# KiCad board radioboard_original.kicad_pcb (continued)
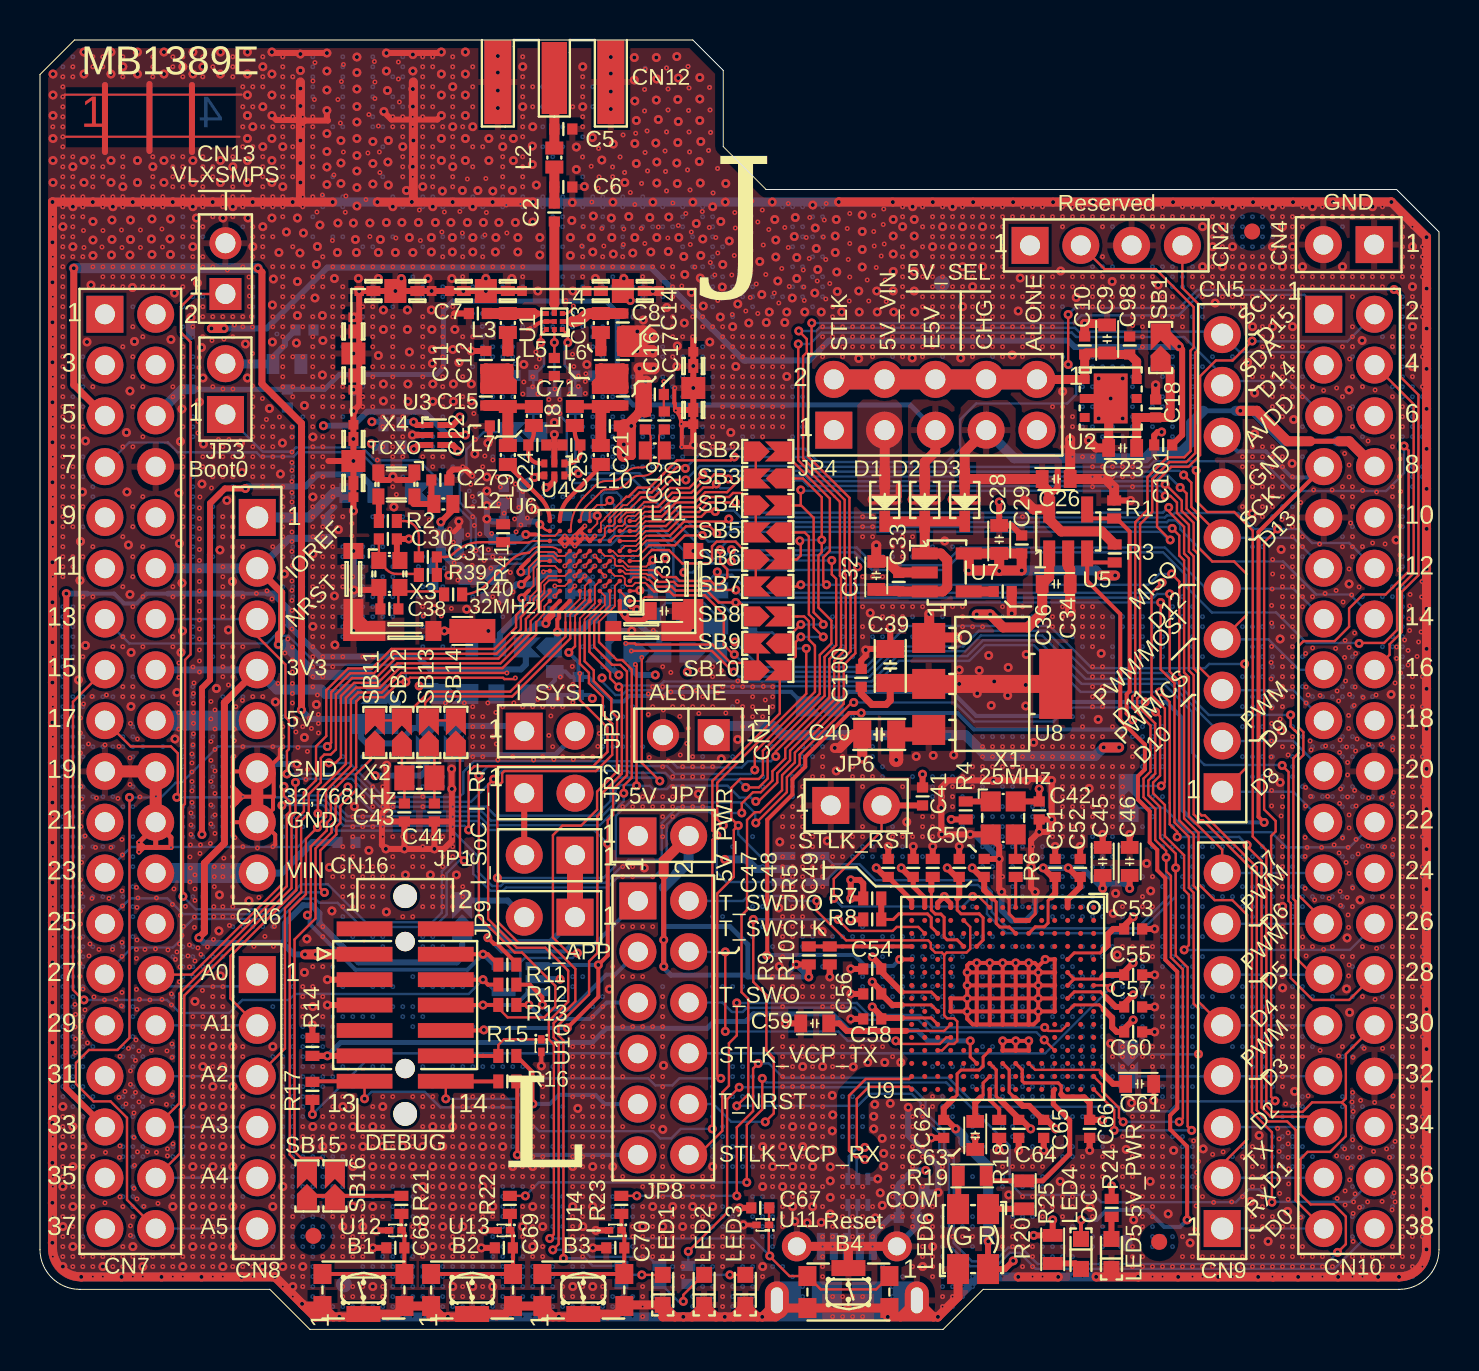
[diagram p0: board, top side]
## Routing (per net, layer and track width the routed paths; a pad name or vN(x,y) marks a point on that pad's centre or on a via; arc(x,y) is an arc through that point) (continued)
  vias: v1(0.62,54.36) v1(0.62,52.36) v1(0.62,50.36) v1(0.62,48.36) v1(0.62,46.36) v1(0.62,44.36) v1(0.62,42.36) v1(0.62,40.36) v1(0.62,38.36) v1(0.62,36.36) v1(0.62,34.36) v1(0.62,32.34) v1(0.62,30.34) v1(0.62,28.34) v1(0.62,26.34) v1(0.62,24.34) v1(0.62,22.34) v1(0.62,20.34) v1(0.62,18.34) v1(0.62,16.34) v1(0.62,14.34) v1(0.62,12.34) v1(0.62,10.33) v1(0.62,8.33) v1(0.62,6.33) v1(0.62,4.33) v1(0.65,62.77) v1(0.65,61.72) v1(0.65,60.7) v1(0.65,59.55) v1(0.65,58.45) v1(0.65,57.35) v1(1.15,55.14) v1(1.15,11.14) v1(1.15,9.14) v1(1.15,7.14) v1(1.15,5.14) v1(1.15,3.14) v1(1.65,58.14) v1(1.65,56.14) v1(1.65,54.14) v1(1.65,10.14) v1(1.65,8.14) v1(1.65,6.14) v1(1.65,4.14) v1(1.92,32.47) v1(2.02,39.4) v1(2,37.45) v1(2.12,41.88) v1(2.2,63.88) v1(2.2,62.77) v1(2.2,58.45) v1(2.2,57.35) v1(2.15,9.14) v1(2.27,44.42) v1(2.27,34.2) v1(2.35,49.38) v1(2.55,52.22) v1(2.65,55.4) v1(2.65,54.47) v1(2.65,53.7) v1(3.15,3.14) v1(3.55,63.88) v1(3.55,62.77) v1(3.55,58.45) v1(3.55,57.35) v1(3.6,55.47) v1(3.6,54.5) v1(3.58,53.72) v1(3.65,56.14) v1(4.08,2.62) v1(4.15,63.14) v1(4.15,57.14) v1(4.33,44.85) v1(4.35,41.88) v1(4.42,39.22) v1(4.52,55.47) v1(4.52,54.5) v1(4.5,53.72) v1(4.5,46.92) v1(4.5,36.75) v1(4.62,52.1) v1(4.56,33.85) v1(4.55,31.15) v1(4.72,49.4) v1(4.65,4.14) v1(4.88,63.88) v1(4.88,62.77) v1(4.88,58.45) v1(4.88,57.35) v1(5.15,3.14) v1(5.6,55.52) v1(5.58,54.52) v1(5.6,53.75) v1(5.65,58.14) v1(6.08,2.62) v1(6.2,63.88) v1(6.2,62.77) v1(6.2,58.45) v1(6.2,57.35) v1(6.52,55.52) v1(6.5,54.52) v1(6.52,53.75) v1(6.55,49.5) v1(6.72,51.82) v1(6.65,6.14) v1(6.75,29.52) v1(6.85,31.85) v1(7.02,44.4) v1(6.95,41.82) v1(6.97,39.3) v1(7.1,46.02) v1(7.1,37.32) v1(7.12,34.92) v1(7.05,33.85) v1(7.15,63.14) v1(7.15,3.14) v1(7.65,63.88) v1(7.65,62.77) v1(7.65,58.45) v1(7.65,57.35) v1(7.65,56.14) v1(7.65,54.14) v1(7.65,8.14) v1(7.65,6.14) v1(7.65,4.14) v1(7.83,55.57) v1(7.75,16.4) v1(7.88,52.32) v1(7.97,46.38) v1(8.08,49.1) v1(8.1,42.27) v1(8.08,2.62) v1(8.15,63.14) v1(8.15,47.57) v1(8.17,44.27) v1(8.15,13.14) v1(8.15,11.14) v1(8.15,9.14) v1(8.65,14.14) v1(8.65,12.14) v1(8.65,8.14) v1(8.65,6.14) v1(8.65,4.14) v1(8.83,32.05) v1(9.02,63.88) v1(9.02,62.77) v1(9.02,58.45) v1(9.02,57.35) v1(9,38.97) v1(8.97,21.72) v1(8.95,19.92) v1(9.02,17.67) v1(9.15,55.57) v1(9.15,13.14) v1(9.15,11.14) v1(9.15,9.14) v1(9.15,3.14) v1(9.35,41.45) v1(9.42,34.97) v1(9.62,37.4) v1(9.65,58.14) v1(9.65,56.14) v1(9.65,14.14) v1(9.65,12.14) v1(9.65,8.14) v1(9.65,6.14) v1(9.65,4.14) v1(10.02,44.32) v1(10.1,42.85) v1(10.08,2.62) v1(10.27,49.27) v1(10.38,63.88) v1(10.38,62.77) v1(10.38,61.72) v1(10.38,60.7) v1(10.38,59.55) v1(10.38,58.45) v1(10.38,57.35) v1(10.4,55.57) v1(10.38,47.57) v1(10.45,21.42) v1(10.65,60.14) v1(10.65,54.14) v1(11.15,63.14) v1(11.15,61.14) v1(11.15,59.14) v1(11.15,55.14) v1(11.15,3.14) v1(11.47,46.05) v1(11.6,62.77) v1(11.6,61.72) v1(11.6,59.55) v1(11.6,58.45) v1(11.6,57.35) v1(11.6,55.57) v1(11.62,51.22) v1(11.62,49.38) v1(11.67,52.52) v1(11.65,14.14) v1(11.65,6.14) v1(11.77,31.38) v1(11.95,53.85) v1(12.02,42.77) v1(12.12,44.32) v1(12.15,59.14) v1(12.15,57.14) v1(12.22,37.77) v1(12.15,7.14) v1(12.15,3.14) v1(12.33,54.88) v1(12.65,2.14) v1(12.83,49.32) v1(12.88,55.57) v1(12.88,52.4) v1(12.88,50.7) v1(13.02,63.77) v1(13.02,62.95) v1(13.02,62.05) v1(13.02,61.17) v1(13.02,58.32) v1(13.02,57.35) v1(13,53.82) v1(13.17,54.82) v1(13.22,46.2) v1(13.22,29.6) v1(13.22,17.85) v1(13.15,3.14) v1(13.35,19.52) v1(13.65,44.62) v1(13.65,41.62) v1(13.65,38.77) v1(13.65,35.15) v1(13.65,16.14) v1(13.65,10.14) v1(13.83,53.25) v1(13.75,51.57) v1(13.83,31.25) v1(13.88,54.15) v1(14,55.22) v1(14.12,50.7) v1(14.12,47.72) v1(14.15,49.45) v1(14.15,9.14) v1(14.35,62.92) v1(14.35,61.97) v1(14.35,59.8) v1(14.35,58.9) v1(14.35,58.12) v1(14.35,57.25) v1(14.47,23.1) v1(14.6,20.92) v1(14.73,52.55) v1(14.73,36.67) v1(14.65,10.14) v1(14.75,34.22) v1(14.9,55.32) v1(14.87,53.85) v1(14.92,40) v1(15.05,59.45) v1(15.05,58.32) v1(15.05,57.3) v1(15.15,11.14) v1(15.15,9.14) v1(15.15,5.14) v1(15.67,55.32) v1(15.68,50.61) v1(15.68,48.8) v1(15.67,34.92) v1(15.73,26.15) v1(15.65,10.14) v1(15.65,8.14) v1(15.65,6.14) v1(15.65,4.14) v1(15.77,54.5) v1(15.83,53.85) v1(15.85,63.62) v1(15.85,62.85) v1(15.85,62.02) v1(15.85,61.15) v1(15.85,60.38) v1(15.85,59.55) v1(15.85,58.7) v1(15.85,57.92) v1(15.85,57.1) v1(15.85,56.17) v1(15.92,52.55) v1(16.15,9.14) v1(16.15,5.14) v1(16.5,55.32) v1(16.45,23.95) v1(16.65,59.4) v1(16.65,58.3) v1(16.65,57.27) v1(16.65,10.14) v1(16.65,8.14) v1(16.65,6.14) v1(16.65,2.14) v1(16.92,53.85) v1(16.92,52.55) v1(16.92,48.7) v1(17.02,54.5) v1(17.17,50.97) v1(17.17,50) v1(17.17,47.27) v1(17.17,46.42) v1(17.15,11.14) v1(17.15,9.14) v1(17.33,62.92) v1(17.33,55.35) v1(17.33,20.88) v1(17.37,61.95) v1(17.42,59.45) v1(17.4,58.38) v1(17.42,57.22) v1(17.65,56.14) v1(17.7,41.12) v1(17.65,8.14) v1(17.77,53.85) v1(17.77,51.92) v1(18.1,55.35) v1(18.08,52.55) v1(18.15,59.14) v1(18.15,9.14) v1(18.33,56.95) v1(18.28,22.72) v1(18.37,50.97) v1(18.37,50) v1(18.4,47.27) v1(18.4,46.4) v1(18.48,54.6) v1(18.48,48.88) v1(18.6,56.38) v1(18.65,63.75) v1(18.65,62.92) v1(18.65,62.02) v1(18.65,61.15) v1(18.65,58.14) v1(18.65,53.85) v1(18.65,8.14) v1(18.92,55.35) v1(19.15,57.14) v1(19.15,9.14) v1(19.15,7.14) v1(19.15,5.14) v1(19.4,52.55) v1(19.53,22.72) v1(19.58,54.6) v1(19.58,53.88) v1(19.58,51.92) v1(19.58,50.97) v1(19.6,50) v1(19.62,49) v1(19.62,48.3) v1(19.65,56.14) v1(19.65,47.27) v1(19.65,46.4) v1(19.71,36.04) v1(19.65,10.14) v1(19.65,8.14) v1(19.65,6.14) v1(19.65,4.14) v1(19.77,55.35) v1(20.08,62.77) v1(20.08,61.72) v1(20.08,59.55) v1(20.08,58.45) v1(20.12,56.92) v1(20.15,9.14) v1(20.15,7.14) v1(20.15,5.14) v1(20.45,37.7) v1(20.55,55.35) v1(20.62,54.6) v1(20.62,53.88) v1(20.6,52.55) v1(20.65,62.14) v1(20.65,60.14) v1(20.65,58.14) v1(20.64,56.37) v1(20.65,49) v1(20.67,47.27) v1(20.67,46.4) v1(20.65,10.14) v1(20.65,8.14) v1(20.65,6.14) v1(20.65,4.14) v1(20.65,2.14) v1(20.75,50) v1(20.83,22.72) v1(20.95,48.35) v1(21.12,56.95) v1(21.15,9.14) v1(21.15,7.14) v1(21.15,5.14) v1(21.27,63.88) v1(21.27,62.77) v1(21.27,61.72) v1(21.27,60.7) v1(21.27,59.55) v1(21.27,58.45) v1(21.37,55.35) v1(21.34,36.01) v1(21.58,47.27) v1(21.58,46.42) v1(21.65,60.14) v1(21.65,56.14) v1(21.65,54.6) v1(21.65,53.88) v1(21.65,10.14) v1(21.65,8.14) v1(21.65,6.14) v1(21.65,2.14) v1(21.75,43.77) v1(21.9,56.95) v1(22.17,55.35) v1(22.15,9.14) v1(22.15,7.14) v1(22.3,52.55) v1(22.3,51.93) v1(22.35,42.62) v1(22.35,41.92) v1(22.35,41.2) v1(22.45,59.55) v1(22.45,58.45) v1(22.65,56.92) v1(22.64,56.37) v1(22.65,10.14) v1(22.65,8.14) v1(22.65,6.14) v1(22.65,2.14) v1(22.8,54.6) v1(22.77,53.88) v1(22.9,63.67) v1(22.9,62.85) v1(22.9,61.95) v1(22.9,61.07) v1(22.95,55.35) v1(23.15,59.14) v1(23.15,9.14) v1(23.62,56.95) v1(23.6,52.55) v1(23.67,59.55) v1(23.67,58.45) v1(23.65,8.14) v1(23.77,55.35) v1(23.9,54.6) v1(23.9,53.88) v1(24.15,63.14) v1(24.15,61.14) v1(24.2,48.25) v1(24.15,5.14) v1(24.62,59.17) v1(24.62,58.25) v1(24.65,60.14) v1(24.66,56.37) v1(24.65,55.38) v1(24.65,8.14) v1(24.65,6.14) v1(24.65,4.14) v1(24.83,57.22) v1(24.9,51.92) v1(25,54.6) v1(25,53.72) v1(25.15,5.14) v1(25.73,45.35) v1(25.73,44.75) v1(26.52,54.6) v1(26.52,53.7) v1(26.62,56.35) v1(26.6,55.45) v1(26.65,51.92) v1(26.65,8.14) v1(26.65,6.14) v1(26.65,2.14) v1(26.83,59.12) v1(26.83,58) v1(26.9,11.05) v1(27.15,63.14) v1(27.15,61.14) v1(27.23,57.15) v1(27.15,5.14) v1(27.35,48.25) v1(27.62,59.6) v1(27.58,54.6) v1(27.67,55.67) v1(27.65,53.88) v1(27.65,8.14) v1(27.65,6.14) v1(27.65,2.14) v1(27.77,52.55) v1(28.1,58.47) v1(28.48,17.01) v1(28.55,63.62) v1(28.55,62.8) v1(28.55,61.9) v1(28.55,61.02) v1(28.58,55.57) v1(28.6,54.6) v1(28.67,59.27) v1(28.66,56.37) v1(28.67,53.77) v1(28.65,8.14) v1(29.2,52.55) v1(29.25,57.35) v1(29.45,55.65) v1(29.52,51.45) v1(29.73,63.6) v1(29.73,62.47) v1(29.65,53.82) v1(29.75,61.42) v1(29.83,60.45) v1(29.75,59.3) v1(29.83,58.3) v1(29.75,54.6) v1(30.17,50.47) v1(30.23,23.07) v1(30.15,5.14) v1(30.5,55.6) v1(30.55,53.88) v1(30.66,56.37) v1(30.65,51.92) v1(30.65,6.14) v1(30.83,63.6) v1(30.83,61.47) v1(30.8,59.32) v1(30.85,62.52) v1(30.92,60.5) v1(30.85,58.38) v1(30.85,57.32) v1(30.85,54.6) v1(31.19,13.2) v1(31.15,10) v1(31.15,5.14) v1(31.42,53.9) v1(31.35,51.1) v1(31.45,55.62) v1(31.65,6.14) v1(31.85,63.65) v1(31.92,62.57) v1(31.9,61.5) v1(31.92,60.4) v1(31.9,59.35) v1(31.85,58.32) v1(31.87,57.3) v1(31.87,49.17) v1(31.85,48.15) v1(31.95,54.6) v1(32.2,53.65) v1(32.23,50.32) v1(32.15,5.14) v1(32.25,52.75) v1(32.58,51.85) v1(32.66,56.37) v1(32.67,38.92) v1(32.65,6.14) v1(32.83,55.3) v1(32.92,26.77) v1(33,62.6) v1(33,61.52) v1(33,60.45) v1(32.98,58.4) v1(33.02,57.32) v1(33.02,52.57) v1(33.05,59.4) v1(33.05,53.7) v1(33.15,54.52) v1(33.17,51.17) v1(33.5,49.38) v1(33.65,56.14) v1(33.65,8.14) v1(33.65,6.14) v1(34.02,50.62) v1(34.05,55.4) v1(34.12,52.12) v1(34.08,28.52) v1(34.15,53.25) v1(34.3,57.3) v1(34.27,56.38) v1(34.48,54.42) v1(34.55,44.85) v1(34.65,50.14) v1(34.8,48.15) v1(34.9,51.27) v1(34.9,29.5) v1(35.08,52.32) v1(35.45,55.67) v1(35.45,54.85) v1(35.45,53.95) v1(35.45,50.32) v1(36,53.4) v1(36.1,51.75) v1(36.15,9.14) v1(36.15,7.14) v1(36.15,3.14) v1(36.33,50.35) v1(36.48,50.88) v1(36.62,56.38) v1(36.65,8.14) v1(36.75,55.5) v1(36.8,54.47) v1(36.8,53.62) v1(36.9,52.42) v1(37,24.38) v1(36.95,21.07) v1(36.98,18.15) v1(37.15,9.14) v1(37.15,7.14) v1(37.25,50.35) v1(37.35,50.88) v1(37.35,47.65) v1(37.62,51.57) v1(37.73,54.65) v1(37.65,10.14) v1(37.65,8.14) v1(37.65,6.14) v1(37.77,55.6) v1(37.75,5.4) v1(37.85,53.6) v1(37.85,52.55) v1(38.15,13.14) v1(38.15,9.14) v1(38.15,7.14) v1(38.25,50.88) v1(38.37,5.32) v1(38.65,56.22) v1(38.65,10.14) v1(38.65,8.14) v1(38.65,6.14) v1(38.77,55.07) v1(38.83,54.05) v1(38.75,51.82) v1(38.9,53) v1(39.08,50.88) v1(39.12,19.9) v1(39.08,5.35) v1(39.15,13.14) v1(39.37,24.42) v1(39.52,8.12) v1(39.52,7.42) v1(39.52,6.6) v1(39.52,5.78) v1(39.62,11.7) v1(39.62,9.92) v1(39.62,8.97) v1(39.65,10.72) v1(39.83,55.5) v1(39.77,54.67) v1(39.77,53.85) v1(39.83,27.92) v1(39.85,52.88) v1(39.87,51.9) v1(40.1,50.88) v1(40.67,13.12) v1(40.95,51.92) v1(40.98,50.88) v1(40.95,48.55) v1(41.12,55.72) v1(41.12,54.9) v1(41.12,54) v1(41.12,53.12) v1(41.4,13.35) v1(41.52,35.82) v1(41.7,10.65) v1(41.7,10.02) v1(41.75,11.25) v1(41.77,5.57) v1(41.85,51.92) v1(41.87,50.88) v1(42.02,6.82) v1(42.12,9.55) v1(42.12,6.2) v1(42.2,8.8) v1(42.2,8.15) v1(42.25,13.35) v1(42.52,11.3) v1(42.66,56.37) v1(42.67,55.5) v1(42.67,54.67) v1(42.67,53.77) v1(42.67,52.9) v1(42.67,51.92) v1(42.7,50.88) v1(43.05,13.35) v1(43.15,55.14) v1(43.35,25.38) v1(43.62,48.57) v1(43.65,56.14) v1(43.73,55.5) v1(43.73,54.67) v1(43.73,53.77) v1(43.73,52.9) v1(43.73,51.92) v1(43.75,50.88) v1(44.15,3.14) v1(44.66,56.37) v1(44.65,54.14) v1(44.65,4.14) v1(45.15,55.14) v1(45.25,39.42) v1(45.65,56.14) v1(45.65,54.14) v1(46.05,48.57) v1(46.15,55.14) v1(46.15,53.14) v1(46.15,51.14) v1(46.67,56.37) v1(46.65,54.14) v1(46.65,52.14) v1(47.15,55.14) v1(47.15,53.14) v1(48.45,6.72) v1(48.62,48.72) v1(48.67,56.37) v1(48.92,50.92) v1(49.02,52.57) v1(49.7,29.35) v1(50.67,56.37) v1(51.02,7.4) v1(51.05,52.92) v1(51.15,46.9) v1(51.83,51.6) v1(52.48,27.05) v1(52.52,6.1) v1(52.67,56.37) v1(52.92,30.5) v1(52.95,47.55) v1(52.95,45.55) v1(53.08,33.8) v1(53.62,52.4) v1(53.55,14.3) v1(53.67,20.8) v1(53.8,21.8) v1(53.87,18.72) v1(54.15,47.55) v1(54.15,45.55) v1(54.33,9) v1(54.6,11.32) v1(54.67,56.37) v1(54.7,5.47) v1(54.93,2.62) v1(55.35,23.3) v1(55.52,7.4) v1(55.55,21.92) v1(55.92,52.22) v1(56.42,5.78) v1(56.67,56.37) v1(56.7,8.95) v1(56.93,2.62) v1(57.52,4.32) v1(58.15,55.14) v1(58.15,53.14) v1(58.17,9.03) v1(58.67,56.37) v1(58.65,54.14) v1(58.77,51.32) v1(58.93,2.62) v1(59.15,55.14) v1(59.15,53.14) v1(59.65,56.14) v1(59.65,54.14) v1(60.15,53.14) v1(60.4,48.35) v1(60.62,40.8) v1(60.55,6.4) v1(60.67,56.37) v1(60.65,50.14) v1(60.75,46.82) v1(60.75,44.77) v1(60.93,2.62) v1(60.98,9.7) v1(61.15,53.14) v1(61.42,4.4) v1(61.65,56.14) v1(61.65,54.14) v1(61.65,50.14) v1(62.02,34.52) v1(62.02,27.35) v1(62.08,39) v1(62.08,29.95) v1(62.15,55.14) v1(62.15,53.14) v1(62.15,21.15) v1(62.15,17.07) v1(62.4,5.9) v1(62.62,43.3) v1(62.67,56.37) v1(62.65,54.14) v1(62.65,50.14) v1(62.7,45.5) v1(62.75,11.9) v1(62.93,2.62) v1(63.15,53.14) v1(63.65,56.14) v1(64.67,56.37) v1(64.93,2.62) v1(65.15,53.14) v1(65.37,19.57) v1(65.35,17.02) v1(65.48,46.97) v1(65.48,37.27) v1(65.5,15.85) v1(65.65,56.14) v1(66.02,21.47) v1(66.12,49.45) v1(66.65,56.14) v1(66.93,2.62) v1(67.58,31.75) v1(67.83,39.47) v1(68.65,54.14) v1(68.65,52.14) v1(68.65,50.14) v1(68.65,48.14) v1(69.35,52.05) v1(69.35,50.05) v1(69.35,48.03) v1(69.35,46.03) v1(69.35,44.03) v1(69.35,42.03) v1(69.35,40.03) v1(69.35,38.03) v1(69.35,36.03) v1(69.35,34.03) v1(69.35,32.03) v1(69.35,30.03) v1(69.35,28.03) v1(69.35,26.02) v1(69.35,24.02) v1(69.35,22.02) v1(69.35,20.02) v1(69.35,18.02) v1(69.35,16.02) v1(69.35,14.02) v1(69.35,12.02) v1(69.35,10.02) v1(69.35,8.02) v1(69.35,6.02) v2(0.64,60.14) v2(0.64,55.64) v2(0.64,55.14) v2(0.64,53.64) v2(0.64,53.14) v2(0.64,51.64) v2(0.64,51.14) v2(0.64,49.64) v2(0.64,49.14) v2(0.64,47.64) v2(0.64,47.14) v2(0.64,45.64) v2(0.64,45.14) v2(0.64,43.64) v2(0.64,43.14) v2(0.64,41.64) v2(0.64,41.14) v2(0.64,39.64) v2(0.64,39.14) v2(0.64,37.64) v2(0.64,37.14) v2(0.64,35.64) v2(0.64,35.14) v2(0.64,33.64) v2(0.64,33.14) v2(0.64,31.64) v2(0.64,31.14) v2(0.64,29.64) v2(0.64,29.14) v2(0.64,27.64) v2(0.64,27.14) v2(0.64,25.64) v2(0.64,25.14) v2(0.64,23.64) v2(0.64,23.14) v2(0.64,21.64) v2(0.64,21.14) v2(0.64,19.64) v2(0.64,19.14) v2(0.64,17.64) v2(0.64,17.14) v2(0.64,15.64) v2(0.64,15.14) v2(0.64,13.64) v2(0.64,13.14) v2(0.64,11.64) v2(0.64,11.14) v2(0.64,9.64) v2(0.64,9.14) v2(0.64,7.64) v2(0.64,7.14) v2(0.64,5.64) v2(0.64,5.14) v2(0.64,3.64) v2(1.14,62.64) v2(1.14,62.14) v2(1.14,61.14) v2(1.14,60.64) v2(1.14,60.14) v2(1.14,59.14) v2(1.14,58.64) v2(1.14,58.14) v2(1.14,57.64) v2(1.14,57.14) v2(1.14,56.64) v2(1.14,56.14) v2(1.14,55.64) v2(1.14,54.64) v2(1.14,54.14) v2(1.14,53.64) v2(1.14,53.14) v2(1.14,52.64) v2(1.14,52.14) v2(1.14,51.64) v2(1.14,51.14) v2(1.14,50.64) v2(1.14,50.14) v2(1.14,49.64) v2(1.14,49.14) v2(1.14,48.64) v2(1.14,48.14) v2(1.14,47.64) v2(1.14,47.14) v2(1.14,46.64) v2(1.14,46.14) v2(1.14,45.64) v2(1.14,45.14) v2(1.14,44.64) v2(1.14,44.14) v2(1.14,43.64) v2(1.14,43.14) v2(1.14,42.64) v2(1.14,42.14) v2(1.14,41.64) v2(1.14,41.14) v2(1.14,40.64) v2(1.14,40.14) v2(1.14,39.64) v2(1.14,39.14) v2(1.14,38.64) v2(1.14,38.14) v2(1.14,37.64) v2(1.14,10.64) v2(1.14,10.14) v2(1.14,9.64) v2(1.14,8.64) v2(1.14,8.14) v2(1.14,7.64) v2(1.14,6.64) v2(1.14,6.14) v2(1.14,5.64) v2(1.14,4.64) v2(1.14,4.14) v2(1.14,3.64) v2(1.64,63.14) v2(1.64,62.64) v2(1.64,58.64) v2(1.64,57.64) v2(1.64,57.14) v2(1.64,56.64) v2(1.64,55.64) v2(1.64,55.14) v2(1.64,54.64) v2(1.64,53.64) v2(1.64,46.14) v2(1.64,45.64) v2(1.64,45.14) v2(1.64,44.64) v2(1.64,44.14) v2(1.64,43.64) v2(1.64,43.14) v2(1.64,42.64) v2(1.64,42.14) v2(1.64,41.64) v2(1.64,41.14) v2(1.64,40.64) v2(1.64,40.14) v2(1.64,38.64) v2(1.64,38.14) v2(1.64,10.64) v2(1.64,9.64) v2(1.64,9.14) v2(1.64,8.64) v2(1.64,7.64) v2(1.64,7.14) v2(1.64,6.64) v2(1.64,5.64) v2(1.64,5.14) v2(1.64,4.64) v2(1.64,3.64) v2(1.64,3.14) v2(1.75,16.25) v2(1.77,15.75) v2(1.75,15.12) v2(1.77,14.52) v2(1.77,13.85) v2(2.02,30.57) v2(2.02,29.82) v2(2.02,28.82) v2(2.02,24.1) v2(2.02,22.47) v2(2.02,20.92) v2(2.02,20.27) v2(2,19.57) v2(2,18.9) v2(2,18.3) v2(2,17.65) v2(2.02,15.42) v2(2.05,27.15) v2(2.08,26.52) v2(2.08,25.88) v2(2.05,25.15) v2(2.08,23.35) v2(2.05,21.8) v2(2.05,14.85) v2(2.14,56.64) v2(2.14,56.14) v2(2.14,55.64) v2(2.17,54.95) v2(2.2,54.1) v2(2.14,53.64) v2(2.14,45.14) v2(2.14,41.14) v2(2.14,38.64) v2(2.14,36.64) v2(2.14,36.14) v2(2.14,33.64) v2(2.17,31.27) v2(2.15,17.02) v2(2.14,8.64) v2(2.14,8.14) v2(2.14,6.64) v2(2.14,6.14) v2(2.14,5.64) v2(2.14,4.14) v2(2.14,3.64) v2(2.14,3.14) v2(2.25,24.67) v2(2.25,15.97) v2(2.42,29.27) v2(2.38,14.32) v2(2.5,19.27) v2(2.45,18.67) v2(2.6,31.65) v2(2.6,21.55) v2(2.64,63.64) v2(2.64,63.14) v2(2.64,58.64) v2(2.64,58.14) v2(2.64,57.64) v2(2.64,57.14) v2(2.64,53.14) v2(2.64,47.14) v2(2.64,39.14) v2(2.64,36.64) v2(2.7,16.62) v2(2.64,8.64) v2(2.64,6.14) v2(2.64,3.64) v2(2.64,3.14) v2(2.64,2.64) v2(2.83,26.57) v2(2.77,24.1) v2(2.95,19) v2(3.1,54.12) v2(3.14,63.64) v2(3.14,63.14) v2(3.14,58.14) v2(3.14,57.64) v2(3.14,56.64) v2(3.14,56.14) v2(3.15,54.95) v2(3.14,53.14) v2(3.14,52.64) v2(3.14,52.14) v2(3.22,16.47) v2(3.14,3.64) v2(3.14,2.64) v2(3.33,31.72) v2(3.25,29.22) v2(3.27,8.85) v2(3.25,6.32) v2(3.45,21.55) v2(3.55,24.1) v2(3.62,19) v2(3.64,56.64) v2(3.64,53.14) v2(3.64,52.64) v2(3.64,52.14) v2(3.64,34.14) v2(3.64,3.64) v2(3.64,3.14) v2(3.8,16.5) v2(3.9,26.55) v2(3.95,29.15) v2(4,13.65) v2(3.95,11.6) v2(4,9.17) v2(3.97,8.6) v2(4,6.62) v2(4.08,54.97) v2(4.1,54.1) v2(4.1,24.5) v2(4.12,23.72) v2(4.1,21.92) v2(4.12,21.17) v2(4.1,19.35) v2(4.1,18.65) v2(4.1,16.85) v2(4.08,16.17) v2(4.14,63.64) v2(4.14,62.64) v2(4.14,58.64) v2(4.14,58.14) v2(4.14,57.64) v2(4.14,56.64) v2(4.14,56.14) v2(4.14,53.14) v2(4.14,52.64) v2(4.14,52.14) v2(4.14,49.14) v2(4.14,44.14) v2(4.14,39.64) v2(4.14,37.14) v2(4.14,34.64) v2(4.14,34.14) v2(4.14,32.14) v2(4.14,31.64) v2(4.14,6.14) v2(4.14,4.14) v2(4.14,3.64) v2(4.14,3.14) v2(4.25,11.9) v2(4.3,11.27) v2(4.42,14.05) v2(4.52,30.3) v2(4.5,28.57) v2(4.5,27.25) v2(4.52,12.92) v2(4.52,12.25) v2(4.52,5.17) v2(4.52,4.7) v2(4.64,53.14) v2(4.64,52.64) v2(4.64,50.14) v2(4.64,48.64) v2(4.64,47.64) v2(4.64,46.14) v2(4.64,44.14) v2(4.64,41.14) v2(4.64,40.14) v2(4.64,38.64) v2(4.64,37.64) v2(4.64,36.14) v2(4.64,34.64) v2(4.64,32.14) v2(4.64,31.64) v2(4.7,10.82) v2(4.7,9.6) v2(4.72,8.2) v2(4.7,7.05) v2(4.64,5.64) v2(4.64,3.64) v2(4.64,3.14) v2(4.64,2.64) v2(4.83,22.1) v2(4.83,19) v2(4.83,18.55) v2(4.83,17) v2(4.8,14.47) v2(4.77,13.45) v2(4.77,11.85) v2(4.88,29.52) v2(4.9,21.57) v2(4.85,21.1) v2(4.85,19.47) v2(4.85,16) v2(4.88,8.88) v2(4.85,6.53) v2(5.02,54.97) v2(5.02,54.1) v2(5,26.62) v2(4.97,16.5) v2(4.95,13.92) v2(4.95,11.38) v2(5.14,56.64) v2(5.14,56.14) v2(5.14,53.14) v2(5.14,52.64) v2(5.14,52.14) v2(5.14,49.64) v2(5.14,47.14) v2(5.14,44.64) v2(5.14,41.64) v2(5.14,39.14) v2(5.14,36.64) v2(5.14,34.14) v2(5.14,31.64) v2(5.2,6.15) v2(5.14,3.64) v2(5.14,2.64) v2(5.25,19) v2(5.38,8.88) v2(5.5,16.47) v2(5.58,13.95) v2(5.6,11.4) v2(5.64,63.64) v2(5.64,63.14) v2(5.64,62.64) v2(5.64,58.64) v2(5.64,57.64) v2(5.64,57.14) v2(5.64,56.64) v2(5.64,56.14) v2(5.64,53.14) v2(5.64,52.64) v2(5.64,52.14) v2(5.64,3.64) v2(5.64,3.14) v2(5.83,21.57) v2(5.77,19.02) v2(5.83,8.85) v2(5.9,6.3) v2(6.1,55.02) v2(6.12,54.12) v2(6.1,16.5) v2(6.14,56.64) v2(6.14,56.14) v2(6.14,53.14) v2(6.14,52.64) v2(6.14,52.14) v2(6.14,31.64) v2(6.14,3.64) v2(6.14,3.14) v2(6.33,11.25) v2(6.4,18.97) v2(6.35,13.92) v2(6.38,9.03) v2(6.38,8.67) v2(6.62,21.25) v2(6.58,16.77) v2(6.58,16.22) v2(6.6,14.27) v2(6.6,13.6) v2(6.6,11.72) v2(6.64,63.64) v2(6.64,63.14) v2(6.64,58.64) v2(6.64,58.14) v2(6.64,57.64) v2(6.64,57.14) v2(6.64,53.14) v2(6.64,52.64) v2(6.64,47.14) v2(6.64,46.64) v2(6.64,39.64) v2(6.64,37.14) v2(6.64,36.64) v2(6.64,34.64) v2(6.64,34.14) v2(6.7,22.02) v2(6.65,9.27) v2(6.64,6.64) v2(6.64,4.14) v2(6.64,3.64) v2(6.64,3.14) v2(6.64,2.64) v2(6.77,18.5) v2(6.85,18.88) v2(6.95,33.32) v2(6.95,32.6) v2(6.94,31.32) v2(6.94,30.84) v2(6.94,30.02) v2(7.02,20.7) v2(6.97,19.27) v2(7,18.12) v2(6.97,17.38) v2(7.1,19.7) v2(7.14,63.64) v2(7.14,62.64) v2(7.14,58.64) v2(7.14,58.14) v2(7.14,57.64) v2(7.14,57.14) v2(7.14,56.64) v2(7.14,56.14) v2(7.14,54.64) v2(7.14,53.14) v2(7.14,52.64) v2(7.14,52.14) v2(7.14,49.14) v2(7.14,48.64) v2(7.14,48.14) v2(7.14,47.64) v2(7.14,47.14) v2(7.14,46.64) v2(7.14,45.14) v2(7.14,43.64) v2(7.14,43.14) v2(7.14,42.64) v2(7.14,41.14) v2(7.14,40.64) v2(7.14,40.14) v2(7.14,38.64) v2(7.14,38.14) v2(7.14,36.64) v2(7.14,36.14) v2(7.14,35.64) v2(7.17,20.15) v2(7.14,8.14) v2(7.14,7.64) v2(7.14,7.14) v2(7.14,6.64) v2(7.14,6.14) v2(7.14,5.64) v2(7.14,5.14) v2(7.14,4.64) v2(7.14,4.14) v2(7.14,3.64) v2(7.14,2.64) v2(7.27,21.15) v2(7.4,18.67) v2(7.52,24.22) v2(7.5,23.62) v2(7.52,23.07) v2(7.5,22.38) v2(7.47,19.22) v2(7.47,18.12) v2(7.6,28.77) v2(7.6,28.32) v2(7.6,27.88) v2(7.6,27.4) v2(7.6,26.92) 